# Allegro board BeagleV-FIRE_REV-A_230911.brd (continued)
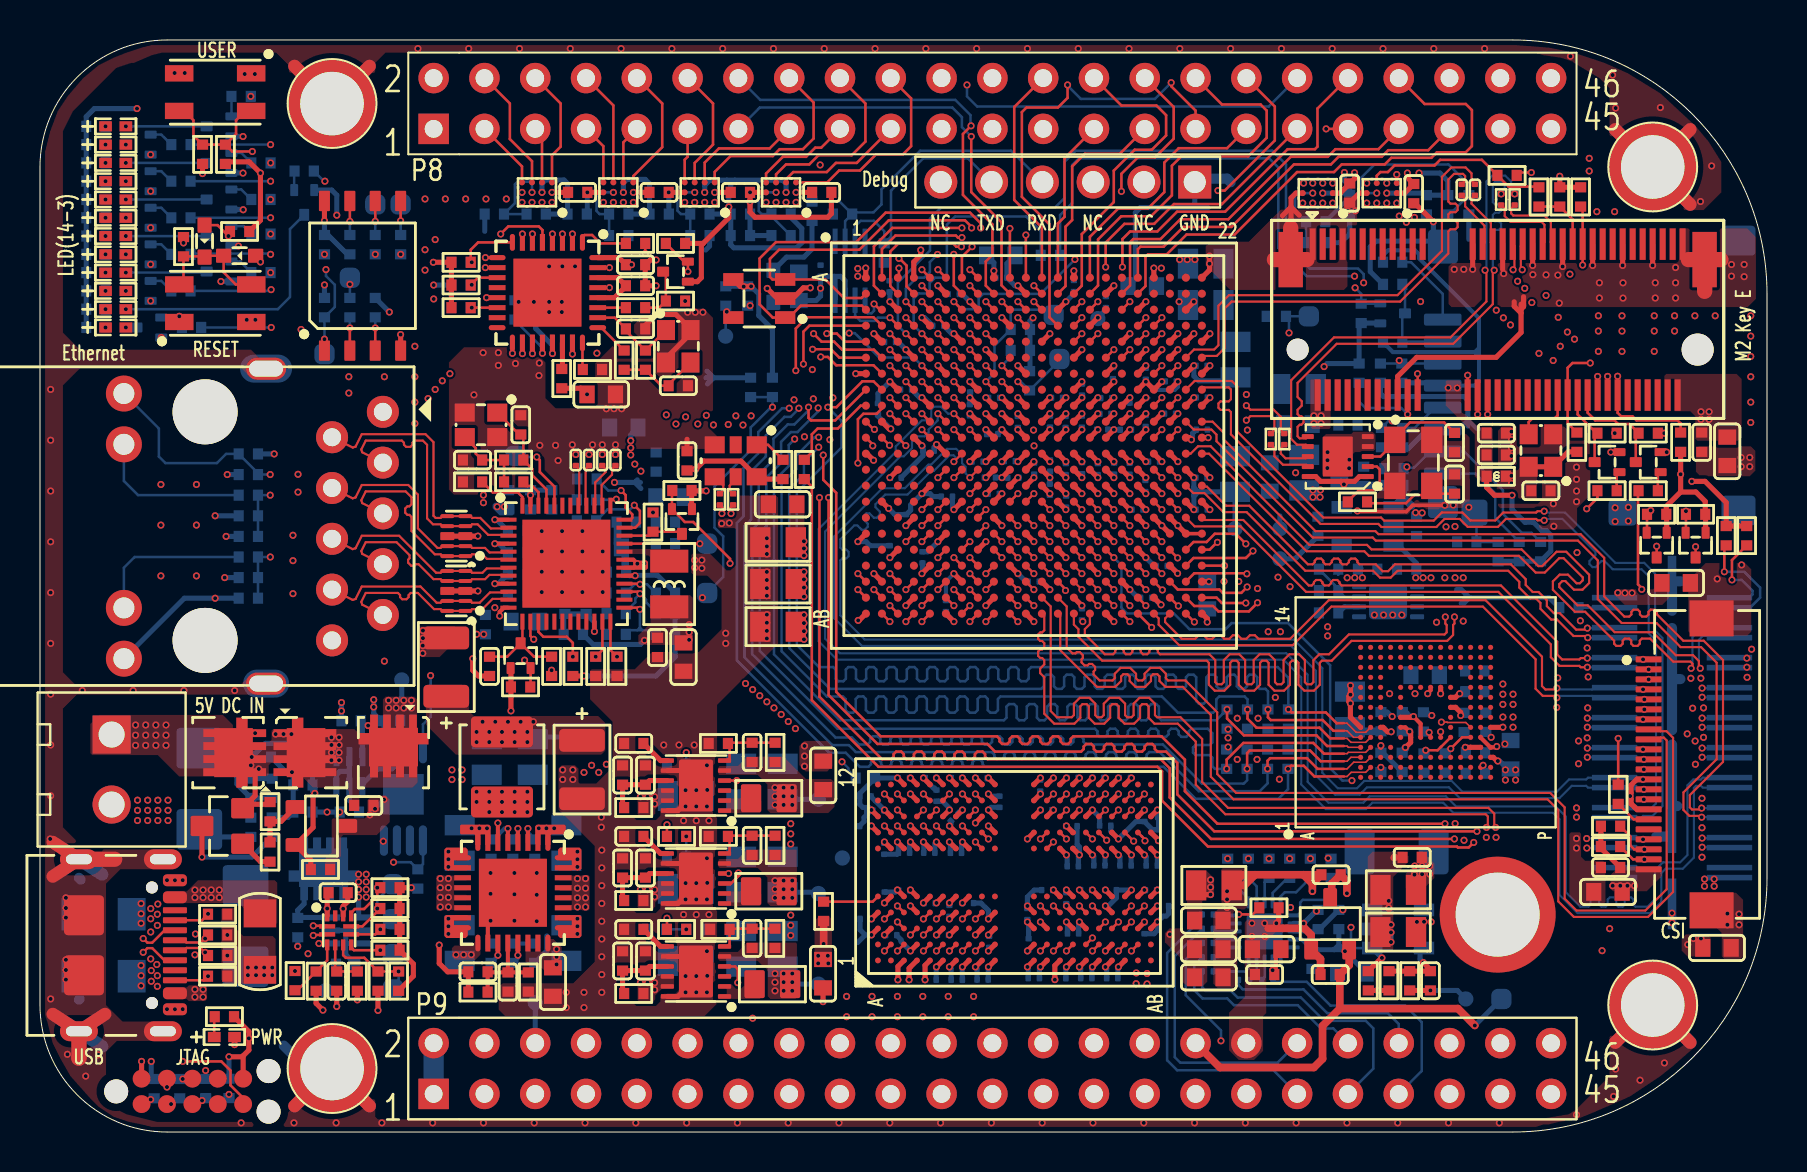
[diagram p0: board, top side]
## Routing (per net, layer and track width the routed paths; a pad name or vN(x,y) marks a point on that pad's centre or on a via; arc(x,y) is an arc through that point) (continued)
GND_EARTH: length 418.4
  TOP w0.635: MH3.1 82.52,46.39 ; MH3.1 82.52,50.13 ; MH3.1 78.77,50.13 ; 0.64,12.78 J5.S1 0.64,14.5 ; 78.77,4.48 MH1.1 82.52,4.48 ; 12.73,53.3 MH5.1 16.48,53.3 ; 12.73,1.3 MH2.1 16.48,1.3 ; 3.25,5.9 J5.S3 0.64,5.9
  TOP w0.762: J5.S3 1.95,3.7 1.94,3.69 ; J5.S1 3.73,13.64
  L2_GND1 w0.508: 2.03,12.65 1.95,12.73 ; MH2.1 13.34,3.17 12.19,4.32
  L2_GND1 w0.61: 82.52,4.48 MH1.1 78.77,4.48 ; 0.79,5.8 J5.S3 ; J5.S3 3.1,4.28 ; J5.S3 3.1,5.8 ; 16.48,53.3 MH5.1 12.73,53.3 ; 0.79,12.88 J5.S1 ; J5.S1 0.79,14.4 ; J5.S1 3.1,12.88 ; 78.77,50.13 MH3.1 ; MH3.1 82.52,50.13 ; MH3.1 82.52,46.39 ; 12.73,1.3 MH2.1 16.48,1.3
  L3_SIG1 w0.508: 2.03,12.65 1.95,12.73 ; 12.19,4.32 13.34,3.17 MH2.1
  L3_SIG1 w0.61: 78.77,50.13 MH3.1 ; MH3.1 82.52,50.13 ; MH3.1 82.52,46.39 ; 12.73,1.3 MH2.1 16.48,1.3 ; J5.S3 3.1,4.28 ; J5.S3 3.1,5.8 ; J5.S3 0.79,5.8 ; J5.S1 3.1,12.88 ; J5.S1 0.79,14.4 ; J5.S1 0.79,12.88 ; 16.48,53.3 MH5.1 12.73,53.3 ; 82.52,4.48 MH1.1 78.77,4.48
  L4_GND2 w0.508: MH2.1 13.34,3.17 12.19,4.32 ; 2.03,12.65 1.95,12.73
  L4_GND2 w0.61: J5.S3 3.1,4.28 ; J5.S3 0.79,5.8 ; J5.S3 3.1,5.8 ; 82.52,4.48 MH1.1 78.77,4.48 ; J5.S1 3.1,12.88 ; J5.S1 0.79,12.88 ; J5.S1 0.79,14.4 ; MH3.1 82.52,50.13 ; MH3.1 82.52,46.39 ; MH3.1 78.77,50.13 ; 12.73,1.3 MH2.1 16.48,1.3 ; 12.73,53.3 MH5.1 16.48,53.3
  L5_SIG2 w0.508: MH2.1 13.34,3.17 12.19,4.32
  L5_SIG2 w0.61: J5.S1 3.1,12.88 ; J5.S1 0.79,12.88 ; J5.S1 0.79,14.4 ; 12.73,53.3 MH5.1 16.48,53.3 ; J5.S3 3.1,5.8 ; J5.S3 0.79,5.8 ; J5.S3 3.1,4.28 ; 78.77,50.13 MH3.1 ; MH3.1 82.52,50.13 ; MH3.1 82.52,46.39 ; 16.48,1.3 MH2.1 12.73,1.3 ; 78.77,4.48 MH1.1 82.52,4.48
  L6_GND3 w0.508: 2.03,12.65 1.95,12.73 ; 12.19,4.32 13.34,3.17 MH2.1
  L6_GND3 w0.61: 0.79,12.88 J5.S1 0.79,14.4 ; 78.77,50.13 MH3.1 ; MH3.1 82.52,50.13 ; MH3.1 82.52,46.39 ; 12.73,53.3 MH5.1 16.48,53.3 ; 78.77,4.48 MH1.1 82.52,4.48 ; 16.48,1.3 MH2.1 12.73,1.3 ; J5.S3 3.1,5.8 ; J5.S3 0.79,5.8 ; J5.S3 3.1,4.28
  L7_PWR1 w0.508: MH2.1 13.34,3.17 12.19,4.32 ; 2.03,12.65 1.95,12.73
  L7_PWR1 w0.61: 78.77,50.13 MH3.1 ; MH3.1 82.52,46.39 ; MH3.1 82.52,50.13 ; 16.48,53.3 MH5.1 12.73,53.3 ; J5.S3 3.1,4.28 ; J5.S3 3.1,5.8 ; J5.S3 0.79,5.8 ; 78.77,4.48 MH1.1 82.52,4.48 ; 12.73,1.3 MH2.1 16.48,1.3 ; 0.79,14.4 J5.S1 ; J5.S1 3.1,12.88 ; J5.S1 0.79,12.88
  L8_PWR2 w0.508: 2.03,12.65 1.95,12.73 ; 12.19,4.32 13.34,3.17 MH2.1
  L8_PWR2 w0.61: MH3.1 82.52,50.13 ; MH3.1 82.52,46.39 ; MH3.1 78.77,50.13 ; J5.S3 3.1,4.28 ; J5.S3 0.79,5.8 ; J5.S3 3.1,5.8 ; 82.52,4.48 MH1.1 78.77,4.48 ; 12.73,53.3 MH5.1 16.48,53.3 ; 16.48,1.3 MH2.1 12.73,1.3 ; 0.79,12.88 J5.S1 ; J5.S1 3.1,12.88 ; J5.S1 0.79,14.4
  L9_GND4 w0.508: MH2.1 13.34,3.17 12.19,4.32 ; 2.03,12.65 1.95,12.73
  L9_GND4 w0.61: 78.77,4.48 MH1.1 82.52,4.48 ; 0.79,5.8 J5.S3 ; J5.S3 3.1,5.8 ; J5.S3 3.1,4.28 ; 12.73,53.3 MH5.1 16.48,53.3 ; 78.77,50.13 MH3.1 ; MH3.1 82.52,46.39 ; MH3.1 82.52,50.13 ; 0.79,12.88 J5.S1 ; J5.S1 3.1,12.88 ; J5.S1 0.79,14.4 ; 12.73,1.3 MH2.1 16.48,1.3
  L10_SIG3 w0.508: 12.19,4.32 13.34,3.17 MH2.1 ; 2.03,12.65 1.95,12.73
  L10_SIG3 w0.61: J5.S3 3.1,5.8 ; J5.S3 3.1,4.28 ; J5.S3 0.79,5.8 ; 0.79,14.4 J5.S1 ; J5.S1 0.79,12.88 ; J5.S1 3.1,12.88 ; 16.48,53.3 MH5.1 12.73,53.3 ; 12.73,1.3 MH2.1 16.48,1.3 ; MH3.1 82.52,46.39 ; MH3.1 78.77,50.13 ; MH3.1 82.52,50.13 ; 82.52,4.48 MH1.1 78.77,4.48
  L11_GND5 w0.508: 2.03,12.65 1.95,12.73 ; 12.19,4.32 13.34,3.17 MH2.1
  L11_GND5 w0.61: J5.S1 3.1,12.88 ; J5.S1 0.79,12.88 ; J5.S1 0.79,14.4 ; 12.73,1.3 MH2.1 16.48,1.3 ; MH3.1 82.52,50.13 ; MH3.1 78.77,50.13 ; MH3.1 82.52,46.39 ; 0.79,5.8 J5.S3 ; J5.S3 3.1,5.8 ; J5.S3 3.1,4.28 ; 12.73,53.3 MH5.1 16.48,53.3 ; 82.52,4.48 MH1.1 78.77,4.48
  BOTTOM w0.508: 12.19,4.32 13.34,3.17 MH2.1 ; 1.95,6.62 1.98,6.65 ; 2.03,12.62 1.95,12.71
  BOTTOM w0.635: 78.77,50.13 MH3.1 ; MH3.1 82.52,50.13 ; MH3.1 82.52,46.39 ; 16.48,1.3 MH2.1 12.73,1.3 ; 0.79,14.4 J5.S1 ; J5.S1 0.79,12.88 ; J5.S1 3.1,12.88 ; 12.73,53.3 MH5.1 16.48,53.3 ; 82.52,4.48 MH1.1 78.77,4.48 ; J5.S3 3.1,5.8 ; J5.S3 0.79,5.8 ; J5.S3 3.1,4.28
  vias: v1(0.53,37.13) v1(0.53,34.59) v1(0.53,32.05) v1(0.53,29.51) v1(0.53,26.97) v1(0.53,24.43) v1(0.53,21.89) v1(0.53,19.35) v1(0.53,16.81) v1(0.51,14.66) v1(0.53,6.65) v1(1.3,11.71) v1(1.3,11.2) v1(1.3,10.72) v1(1.3,8.61) v1(1.3,8.1) v1(1.3,7.62) v1(1.37,3.89) v1(2.12,22.08) v1(2.29,2.79) v1(2.92,3.86) v1(4.66,22.08) v1(7.2,22.08) v1(9.74,22.08) v1(10.06,0.46) v1(12.7,0.46) v1(14.81,0.46) v1(17.09,0.46) v1(18.9,54.18) v1(19.63,0.46) v1(21.44,54.18) v1(22.17,0.46) v1(23.98,54.18) v1(24.71,0.46) v1(26.52,54.18) v1(27.25,0.46) v1(29.06,54.18) v1(29.79,0.46) v1(31.6,54.18) v1(32.33,0.46) v1(34.14,54.18) v1(34.87,0.46) v1(36.68,54.18) v1(37.41,0.46) v1(39.22,54.18) v1(39.95,0.46) v1(41.76,54.18) v1(42.49,0.46) v1(44.3,54.18) v1(45.03,0.46) v1(46.84,54.18) v1(47.57,0.46) v1(49.38,54.18) v1(50.11,0.46) v1(51.92,54.18) v1(52.65,0.46) v1(54.46,54.18) v1(55.19,0.46) v1(57,54.18) v1(57.73,0.46) v1(59.54,54.18) v1(60.27,0.46) v1(62.08,54.18) v1(62.81,0.46) v1(64.62,54.18) v1(65.35,0.46) v1(67.16,54.18) v1(67.89,0.46) v1(69.7,54.18) v1(70.43,0.46) v1(72.24,54.18) v1(72.97,0.46) v1(76.53,53.8) v1(76.83,0.86) v1(78.64,52.86) v1(78.69,1.78) v1(78.79,51.21) v1(78.79,3.15) v1(80.01,2.59) v1(81.03,51.23) v1(81.23,3.45) v1(83.03,46.53) v1(83.59,48.31)
VCC_1V0: length 25.6
  TOP w0.254: U1.N11 v1(49.7,33.52) ; U1.N17 v1(54.5,32.72) ; v1(19.96,9.35) 19.96,8.43 20.39,8.01 C209.1 R119.1 ; U1.L11 v1(48.9,35.12) ; U1.K16 v1(53.7,35.92) ; U1.K14 v1(52.1,35.92) ; U1.N13 v1(51.3,32.72) ; U1.M16 v1(53.7,33.52) ; U1.K12 v1(50.5,35.92) ; U1.J15 v1(52.9,36.72) ; U1.M14 v1(52.1,33.52) ; U1.N15 v1(52.9,32.72) ; U1.L13 v1(51.3,35.12) ; U1.M12 v1(50.5,33.52) ; U1.L17 v1(54.5,35.12)
  L5_SIG2 w0.254: v1(22.47,19.5) v1(21.83,19.5) 21.83,17.66 19.56,15.39 19.56,9.75 v1(19.96,9.35)
  BOTTOM w0.254: C194.1 24.74,19.75 TP23.1
  vias: v1(21.83,20.01) v1(22.13,20.51) v1(22.47,20.01) v1(22.77,20.51) v1(23.1,20.01) v1(23.1,19.5) v1(23.4,20.51) v1(23.74,20.01) v1(23.74,19.5) v1(24.04,20.51) v1(24.37,20.01) v1(24.37,19.5) v1(24.67,20.51) v1(56.99,43.63) v1(57.37,43.63) v1(57.75,43.63)
VCC_1V1: length 45
  TOP w0.254: U2.U5 v1(51.98,12.1) ; U2.N3 v1(49.38,10.5) ; U2.W1 v1(53.28,8.25) ; U2.AA3 v1(55.23,10.5) ; U2.H5 v1(46.13,11.45) ; U2.U3 v1(51.98,10.5) ; U2.N10 v1(50.03,16.1) ; U2.H1 v1(46.13,8.25) ; U2.K12 v1(47.43,17.7) ; U2.N1 v1(49.38,8.25) ; U1.U1 v1(40.9,29.52) ; U2.B5 v1(42.23,11.45) ; U1.W5 v1(44.1,27.92) ; U1.Y2 v1(41.7,27.92) ; v1(50.75,7.62) 50.75,8.33 U2.R1 ; U2.K1 v1(47.43,8.25) ; U2.W5 v1(53.28,12.1) ; U2.F10 v1(45.48,16.1) ; U2.B8 v1(42.23,14.5) ; U2.N12 v1(50.03,17.7) ; U1.N3 v1(42.5,32.72) ; U2.AA8 v1(55.23,13.85) ; U2.F5 v1(44.83,11.45) ; U2.U8 v1(52.63,13.85) ; U1.U11 v1(49.7,29.52) ; U2.D12 v1(43.53,17.7) ; U2.H8 v1(46.13,14.5) ; U2.K10 v1(47.43,16.1) ; U2.K3 v1(47.43,9.85) ; U2.AA10 v1(55.23,16.1) ; v1(43.46,7.61) 43.46,8.19 U2.D1 ; U2.B10 v1(42.23,16.1) ; U2.D5 v1(43.53,12.1) ; U1.T4 v1(43.3,30.32) ; U2.W12 v1(53.93,17.7) ; U1.AB6 v1(45.7,25.52) ; U2.A4 v1(41.58,10.65) ; U1.R7 v1(45.7,31.12) ; U2.AA5 v1(55.23,12.1) ; U2.D8 v1(43.53,14.5) ; U1.AA9 v1(47.3,26.32) ; v1(55.93,14.57) 55.9,14.59 55.9,14.63 U2.AB9 ; U2.B3 v1(42.23,9.85) ; U2.R8 v1(51.33,13.85) ; U1.V8 v1(47.3,29.52) ; U2.R12 v1(51.33,17.7) ; U2.A9 v1(41.58,15.3) ; U2.U10 v1(52.63,16.1) ; U2.F8 v1(44.83,14.5) ; U2.W8 v1(53.93,13.85) ; U2.AB4 v1(55.88,11.3) ; U2.H12 v1(46.13,17.7) ; U2.R5 v1(50.68,12.1) ; U2.F3 v1(44.83,9.85)
  TOP w0.381: R3.2 v1(39.18,9.41)
  BOTTOM w0.254: C36.1 43.48,14.46 v1(43.53,14.5) ; C26.1 44.95,16.54 44.95,16.54 45.13,16.54 45.48,16.19 v1(45.48,16.1) ; C32.1 46.12,8.25 v1(46.13,8.25) ; C38.1 53.34,8.19 v1(53.28,8.25) ; C21.1 47.42,8.24 v1(47.43,8.25) ; C253.1 44.13,27.95 v1(44.1,27.92) ; v1(44.83,14.5) 44.75,14.43 C14.1 ; C12.1 49.42,8.21 v1(49.38,8.25) ; v1(52.63,16.1) 52.99,15.74 C46.1 ; C41.1 55.32,13.77 v1(55.23,13.85) ; v1(51.98,10.5) 51.94,10.47 C48.1 ; v1(49.38,10.5) 49.44,10.44 C16.1 ; TP24.1 38.92,16.64 C221.1 ; v1(45.7,31.12) 45.63,31.2 C256.1 ; v1(51.33,13.85) 51.37,13.82 C24.1 ; C19.1 52.7,13.78 v1(52.63,13.85) ; v1(53.93,13.85) 54,13.78 C51.1 ; v1(46.13,14.5) 46.08,14.46 C28.1 ; C257.1 41.51,29.32 41.31,29.52 v1(40.9,29.52) ; v1(42.23,16.1) 41.78,16.56 41.77,16.56 41.55,16.77 C49.1 ; C258.1 45.3,25.92 v1(45.7,25.52) ; C31.1 47.56,16.24 v1(47.43,16.1)
  vias: v1(36.75,17.22) v1(36.75,16.79) v1(36.75,16.36) v1(37.19,17.22) v1(37.19,16.79) v1(37.19,16.36) v1(37.62,17.22) v1(37.62,16.79) v1(37.62,16.36) v1(38.2,28.02) v1(38.2,27.64) v1(38.2,27.23) v1(38.2,26.77) v1(38.91,8.81) v1(38.91,8.43) v1(39.4,8.81) v1(39.42,8.43) v1(56.5,9.89)
VCC_1V8: length 122.6
  TOP w0.254: U2.G9 v1(45.48,15.3) ; v1(34.44,46.26) 34.44,45.72 33.16,44.44 ; U2.T9 v1(51.33,15.3) ; v1(72.9,18.55) 72.86,18.55 72.67,18.74 U3.P3 ; U1.P16 v1(53.7,31.92) ; 82.04,32 v1(82.04,32.89) R93.1 ; 82.04,32 82.8,32 83.27,31.54 R103.1 83.29,30.87 Q20.1 ; 82.04,32 81.32,31.29 R154.1 81.34,30.87 Q19.1 ; U3.N4 U3.M4 v1(71.27,19.24) ; U1.Y22 v1(58.46,27.52) ; U2.G4 v1(45.48,10.65) ; U1.AA19 v1(56.06,26.37) ; U1.AB16 v1(53.7,25.52) ; v1(33.31,32.06) 32.6,32.06 R217.1 32.58,31.17 Q24.1 ; Q28.1 32.87,42.52 33.07,42.72 33.07,44.35 33.16,44.44 ; U1.P10 v1(48.9,32.72) ; U2.U1 v1(51.98,8.25) ; U1.K2 42.46,35.16 v1(42.54,35.16) ; U1.W15 v1(52.9,27.93) ; R99.1 11.02,45.59 v1(11.02,47.96) 10.46,48.51 9.37,48.51 R139.1 ; U1.P14 v1(52.1,31.92) ; Q25.1 23.55,23.18 R218.1 v1(23.55,21.06) ; v1(67.57,20.02) 67.39,20.02 67.16,20.24 U3.C6 ; U2.F12 v1(44.83,17.7) ; R213.1 33.16,44.44 ; U1.V18 v1(55.3,28.72) ; U1.Y12 v1(50.5,27.12) ; U2.T4 v1(51.33,11.3) ; U1.R13 v1(51.3,31.12) ; U1.J5 v1(44.1,36.72) ; U2.U12 v1(52.63,17.7) ; v1(58.53,11.87) 58.27,11.87 C168.1 ; U3.P5 v1(72.57,19.74) ; 57.68,10.36 57.74,10.42 C58.1 ; U2.F1 v1(44.83,8.25) ; U1.P12 v1(50.5,31.92) ; U1.T14 v1(52.1,30.32)
  L3_SIG1 w0.203: v1(37.77,20.17) 37.43,19.83 26.05,19.83 24.92,20.96 24.65,20.96 24.55,21.06 v1(23.55,21.06)
  L7_PWR1 w0.254: 22.35,47.98 11.05,47.98 v1(11.02,47.96) ; 22.35,47.98 22.78,47.55 ; 22.35,47.98 22.63,48.26 22.89,48.26 ; 22.35,47.98 22.78,47.98
  L10_SIG3 w0.254: v1(38.2,25.86) 37.21,26.85 37.21,29.59 34.74,32.06 v1(33.31,32.06)
  BOTTOM w0.203: C305.2 65.49,46.74 R246.2
  BOTTOM w0.254: R10.1 59.36,20.19 ; v1(64.21,38.28) 64.36,38.43 R88.1 65.96,40.35 R210.1 67,40.45 Q27.1 ; C8.1 44.82,8.24 v1(44.83,8.25) ; C228.1 55.71,28.31 v1(55.3,28.72) ; R156.1 C273.2 26.38,47.43 26.2,47.61 25.28,47.61 25.1,47.43 v1(25.1,46.99) ; v1(64.14,46.95) 65.41,46.95 C305.2 65.49,47.31 65.23,47.57 v1(65.23,47.98) ; C243.1 43.99,36.72 v1(44.1,36.72) ; 34.74,47.6 34.34,47.6 ; 34.74,47.6 37.13,47.6 37.31,47.43 v1(37.31,46.99) ; 34.74,47.6 34.54,47.4 ; 34.34,47.6 34.54,47.4 ; 34.34,47.6 33.49,47.6 33.24,47.35 v1(33.24,46.99) ; R247.2 37.54,45.74 38.09,45.19 38.09,44.47 37.84,44.22 34.69,44.22 34.54,44.37 C308.2 C303.2 ; v1(67.34,46.95) 69.23,46.95 C310.2 R248.2 70.4,47.56 70,47.96 v1(68.96,47.96) ; C244.1 41.9,35.8 v1(42.54,35.16) ; 34.54,47.4 34.54,46.99 34.44,46.89 v1(34.44,46.26) 34.44,46 C303.2 ; C2.1 45.55,15.38 v1(45.48,15.3) ; C113.1 38.87,11.99 TP20.1 ; C229.1 50.1,27.53 v1(50.5,27.12) ; v1(72.9,18.55) 72.99,18.55 73.39,18.16 C73.1 ; R244.1 C301.2 30.48,47.42 30.26,47.64 29.35,47.64 29.17,47.46 v1(29.17,46.99) ; v1(67.57,20.02) 67.39,20.02 67.37,20.04 C67.1 ; C232.1 55.68,26.72 56.02,26.38 56.04,26.38 v1(56.06,26.37) ; C69.1 72.57,19.74 v1(72.57,19.74) ; C303.2 R245.1 ; v1(51.98,8.25) 52.04,8.19 C4.1
  BOTTOM w0.381: C169.1 65.71,20.04 C67.1
  vias: v1(36.75,12.57) v1(36.75,12.14) v1(36.75,11.71) v1(37.19,12.57) v1(37.19,12.14) v1(37.19,11.71) v1(37.62,12.57) v1(37.62,12.14) v1(37.62,11.71) v1(38.2,25.45) v1(38.2,25.04) v1(38.2,24.64) v1(52.15,25.53) v1(58.53,12.61) v1(58.53,12.24) v1(59.41,20.14) v1(59.41,19.71) v1(59.41,19.25) v1(73.28,18.11) v1(73.28,17.6) v1(73.79,18.11) v1(73.79,17.6)
VCC_2V5: length 7.4
  TOP w0.254: U1.M18 v1(55.3,33.52) ; U1.J17 v1(54.5,36.72) ; U1.P18 v1(55.3,31.92) ; U1.R9 v1(48.1,31.92) ; U1.N9 v1(47.3,32.72) ; U1.L15 v1(52.9,35.12) ; U1.J18 v1(55.3,36.72) ; U1.M10 v1(48.1,33.52) ; U1.H8 v1(46.5,37.52) ; U1.R17 v1(54.5,31.12) ; U1.K18 v1(55.3,35.92)
  BOTTOM w0.254: v1(54.5,36.72) 54.49,36.71 C177.1 ; TP22.1 62,30.81 ; v1(48.1,33.52) 48.13,33.55 C186.1 ; C170.1 55.3,33.52 v1(55.3,33.52)
  vias: v1(38.2,29.54) v1(38.2,29.18) v1(38.2,28.83) v1(63.65,32.11) v1(63.65,31.75) v1(64.03,32.11) v1(64.01,31.75)
VCC_3V3: length 109.6
  TOP w0.203: U3.E6 68.27,20.24 v1(68.49,20.02)
  TOP w0.254: 10.16,3.81 10.44,4.09 v1(10.44,4.68) 10.44,5.02 R15.1 ; 10.16,3.81 10.11,3.76 v1(9.45,3.76) ; 10.16,3.81 J3.6 ; C302.1 v1(29.67,46.99) ; OSC1.4 OSC1.1 76.41,34.01 R92.1 ; C107.1 14.36,11.9 v1(14.36,11.18) U9.12 ; U1.H16 v1(53.7,37.52) ; U1.D10 v1(48.1,40.72) ; C304.1 v1(33.74,46.99) ; U1.C3 v1(42.5,41.52) ; v1(18.57,12.22) R54.1 R62.1 R59.1 R58.1 18.67,8.41 18.67,7.8 R57.1 ; v1(37.81,46.99) C307.1 ; U1.E17 v1(54.5,39.92) ; U8.32 28.95,43.73 C112.1 v1(29.58,43.37) ; v1(82.6,32.54) 83.26,32.54 84.32,31.48 R249.1 R250.1 ; C189.1 78.05,14.19 R108.1 R109.1 ; v1(44.83,34.38) 44.92,34.29 44.93,34.29 U1.M6 ; U1.B6 v1(44.9,42.32) ; U1.L9 v1(47.3,35.12) ; U1.J11 v1(48.9,36.72) ; U1.M8 v1(46.5,33.52) ; C98.1 32.42,33.15 v1(32.79,33.15) 33.2,33.55 35.05,33.55 U7.6 35.95,32.65 R39.1 ; U22.4 35.01,42.29 v1(35.56,42.29) ; U1.A9 v1(47.7,43.07) ; v1(70.99,21.92) 70.97,21.92 70.78,21.74 U3.K9 ; U35.A2 68.24,46.95 C309.1 68.38,47.73 v1(68.38,47.96) ; C274.1 v1(25.6,46.99) ; U1.G1 v1(40.79,37.92) ; U1.F4 v1(43.3,39.12) ; U33.A2 65.01,46.95 C306.1 65.74,47.68 v1(65.74,47.97) ; U1.F14 v1(52.1,39.12) ; U1.C21 v1(57.7,41.52) ; U1.K8 v1(46.5,35.92) ; R97.1 v1(81.23,34.95) ; U1.K10 v1(48.1,35.92) ; v1(68.28,19.23) 68.29,19.23 68.54,19.48 U3.F5 68.54,19.97 v1(68.49,20.02) ; v1(76,47.8) R79.1 R78.1 ; U1.E7 v1(45.7,39.92) ; U1.J13 v1(51.3,36.72) ; U1.H14 v1(52.1,37.52) ; U1.A19 v1(55.7,43.2) ; U1.C13 v1(51.3,41.52) ; U3.J10 v1(70.04,21.92) ; R96.1 v1(78.74,34.95) ; U1.B16 v1(53.7,42.32) ; U4.8 v1(14.22,45.57) ; U1.J9 v1(47.3,36.72) ; U1.G11 v1(48.9,38.32)
  BOTTOM w0.203: C127.1 63.8,10.03 U11.18
  BOTTOM w0.254: R67.1 R69.1 ; R67.1 v1(19.69,42.36) ; R67.1 R65.1 ; R28.1 36.63,40.14 35.94,40.83 35.94,41.91 v1(35.56,42.29) C269.1 R63.1 ; R25.1 v1(17.47,41.01) ; U21.8 39.76,42.75 39.73,42.79 ; C234.1 47.7,42.82 v1(47.7,43.07) 47.7,43.48 C242.1 ; v1(18.57,12.22) 18.84,12.22 R55.1 ; v1(65.15,11.11) FB2.2 63.98,10.14 C127.1 ; v1(4.85,51.18) 2.72,51.18 2.31,50.77 R110.1 R111.1 R112.1 R113.1 R114.1 R115.1 R116.1 R120.1 R122.1 R123.1 R124.1 R125.1 ; v1(45.7,39.92) 45.59,39.92 C240.1 ; R235.2 v1(22.19,24.89) v1(21.83,24.89) ; v1(42.5,41.52) 42.5,41.99 C239.1 ; v1(53.7,42.32) U1.B16 C233.1 ; 39.73,42.79 40.04,42.79 40.26,42.57 U21.7 ; 39.73,42.79 C206.1 v1(39.03,42.2) 39.03,41.8 38.81,41.58 C248.1 36.76,41.58 D17.1 ; R26.1 15.36,43.89 14.4,44.86 C82.1 14.23,45.57 v1(14.22,45.57) ; v1(44.9,42.32) 45.32,41.9 C235.1 ; C246.1 44.71,34.26 v1(44.83,34.38) ; v1(49.66,40.72) 49.5,40.56 R23.1 R22.1 49.5,38.07 R24.1 49.17,38.05 v1(48.9,38.32) ; TP19.1 37.86,7.39 37.79,7.47 37.45,7.47 37.32,7.34 37.14,7.34 ; v1(29.54,34.57) 29.54,34.86 C185.1 ; R27.1 v1(14.23,42.36) ; v1(51.3,41.52) 51.7,41.92 C231.1 ; C184.1 47.34,35.08 v1(47.3,35.12) ; C198.1 68.82,28.45 67.94,29.33 U14.3 ; C237.1 42.92,39.51 v1(43.3,39.12) ; C81.1 v1(9.45,3.76)
  BOTTOM w0.381: 68.17,31.73 U14.1 ; 68.17,31.73 FB4.1 ; 68.17,31.73 68.59,31.32 ; C66.1 68.12,19.03 68.28,19.19 v1(68.28,19.23) ; C63.1 68.48,20.04 v1(68.49,20.02)
  vias: v1(12.75,8.05) v1(29.54,34.21) v1(29.54,33.86) v1(32.26,41.56) v1(35.19,42.28) v1(36.75,7.92) v1(36.75,7.49) v1(36.75,7.06) v1(37.19,7.92) v1(37.19,7.49) v1(37.19,7.06) v1(37.62,7.92) v1(37.62,7.49) v1(37.62,7.06) v1(56.07,43.2) v1(56.96,41.52) v1(63.7,35.81) v1(63.7,35.43) v1(64.06,35.81) v1(64.06,35.43) v1(68.79,30.97) v1(68.79,27.72) v1(69.11,30.96) v1(69.16,27.72) v1(69.56,27.72) v1(73.58,32.82) v1(73.58,32.44) v1(78.64,12.31) v1(79.02,12.31) v1(79.38,12.31) v1(79.74,12.31) v1(83.06,36.02) v1(83.06,35.64) v1(83.46,36.02) v1(83.46,35.64)
VCCA_1V0: length 13.6
  TOP w0.254: U1.J21 v1(57.7,36.72) ; U1.G21 v1(57.7,38.32) ; U1.R21 v1(57.7,31.12) ; v1(57.58,34.62) 57.47,34.72 U1.L21 ; U1.N21 v1(57.7,32.72) ; U1.K19 v1(56.1,35.92) ; U1.P19 v1(56.1,31.92)
  BOTTOM w0.127: 66.13,28.19 66.07,28.19 66.02,28.14 C199.1 ; R107.1 64.92,27.87 64.92,27.86
  BOTTOM w0.254: 57.7,32.23 57.7,31.85 ; 57.7,32.23 57.92,32.01 ; 57.7,32.23 v1(57.7,32.72) ; 57.7,31.85 57.76,31.85 ; 57.7,31.85 57.7,31.8 ; 57.92,32.01 57.76,31.85 ; 57.92,32.01 C146.1 TP21.1 ; 57.7,31.8 v1(57.7,31.12) ; 57.7,31.8 57.76,31.85 ; v1(57.7,38.32) 57.7,37.8 57.94,37.57 59.61,37.57 C147.1 ; C142.1 57.63,34.94 57.63,34.76 57.58,34.7 v1(57.58,34.62)
  vias: v1(65.37,27.72) v1(65.75,27.72) v1(66.12,27.72)
VDD_5V: length 2
  BOTTOM w0.254: TP31.1 P9.6
  vias: v1(14.57,19.74) v1(14.57,19.35) v1(14.57,18.97) v1(14.57,18.59) v1(14.96,19.74) v1(14.96,19.35) v1(14.96,18.97) v1(14.96,18.59)
VDD_ADC: length 27.8
  TOP w0.381: v1(71.75,5.33) 70.9,6.17 65,6.17 ; U16.2 65.47,8.34 C121.1 65,6.17 ; P9.32 59,3.23 63.7,3.23 64.14,3.66 64.14,5.31 65,6.17
  BOTTOM w0.203: C138.1 63.09,9.63 U11.19
  BOTTOM w0.254: 64.72,9.12 65.18,9.12 ; 64.72,9.12 64.95,9.35 ; 64.72,9.12 C138.1 ; 65.18,9.12 v1(65.25,9.04) 65.25,9.03 C139.1 ; 65.18,9.12 64.95,9.35 ; 64.95,9.35 FB2.1 ; v1(71.75,5.33) TP30.1
ADC_CSN: length 70.8
  TOP w0.127: U1.E4 v1(43.3,39.92)
  L10_SIG3 w0.102: v1(59.39,13.67) 59.39,15.12 60.12,15.85 62.97,15.85 63.22,16.1 63.22,23.14 65.41,25.32 65.41,26.33 66.65,27.57 66.65,32.37 67.26,32.98 67.26,41.4 v1(66.19,42.47)
  BOTTOM w0.127: v1(66.19,42.47) 66.19,42.9 65.91,43.18 63.5,43.18 62.31,44.37 62.31,48.39 61.62,49.07 51.79,49.07 51.23,48.51 51.23,46.71 50.75,46.23 45.06,46.23 44.5,45.67 44.5,44.08 42.9,42.48 42.9,40.32 v1(43.3,39.92)
ADC_IRON: length 75
  TOP w0.127: v1(46.08,44.27) 45.82,44.27 45.64,44.45 42.94,44.45 42.52,44.03 42.52,42.3 U1.B3
  L3_SIG1 w0.102: v1(46.08,44.27) 45.97,44.37 45.95,44.37 45.39,44.94 45.39,46.3 45.97,46.89 45.97,48.45 46.59,49.07 69.56,49.07 70.21,48.43 70.21,46.92 69.43,46.15 69.14,46.15 v1(68.73,45.74)
  L10_SIG3 w0.102: v1(68.73,45.74) 68.68,45.69 68.68,39.07 69.27,38.49 69.27,35.72 68.72,35.18 68.72,32.43 68.07,31.78 68.07,27.17 68.83,26.41 68.83,25.59 68.39,25.15 67.24,25.15 64.65,22.55 64.65,15.31 63.53,14.19 v1(63.53,13.67)
ADC_MCLK: length 49
  TOP w0.127: U1.E19 v1(56.1,39.92)
  L3_SIG1 w0.102: v1(56.1,39.92) 55.7,39.53 55.7,38.07 55.83,37.94 59.94,37.94 62.48,40.49 66.7,40.49 67.74,41.53 v1(69.04,41.53)
  L10_SIG3 w0.102: v1(64.41,13.69) 64.41,14.58 65,15.16 65,22.4 67.39,24.79 68.54,24.79 69.19,25.44 69.19,26.56 68.43,27.32 68.43,31.63 69.08,32.28 69.08,35.03 69.62,35.58 69.62,38.68 69.04,39.27 v1(69.04,41.53)
ADC_MISO: length 83.3
  TOP w0.127: U1.A2 42.1,44.15 42.78,44.83 45.8,44.83 45.9,44.73 v1(46.1,44.73)
  L3_SIG1 w0.102: v1(46.1,44.73) 45.75,45.08 45.75,46.16 46.33,46.74 46.33,48.31 46.74,48.72 69.41,48.72 69.85,48.28 69.85,47.07 69.28,46.5 68.98,46.5 68.33,45.85 v1(68.33,45.49)
  L10_SIG3 w0.102: v1(68.33,45.49) 68.33,37 68.77,36.55 68.77,35.73 68.35,35.31 v1(68.35,33.26) 68.35,32.56 67.72,31.93 67.72,27.03 68.48,26.26 68.48,25.73 68.25,25.5 67.09,25.5 64.29,22.7 64.29,15.46 63.61,14.78 62.59,14.78 62.49,14.68 v1(62.49,13.67)
  BOTTOM w0.127: v1(68.35,33.26) 68.39,33.22 68.7,33.22 69.5,34.03 J2.7 71.22,34.03 73.15,32.09 73.15,30.91 74.1,29.96 74.58,29.96 R168.2
ADC_MOSI: length 75.9
  TOP w0.127: v1(46.1,45.21) 42.62,45.21 41.7,44.29 41.7,42.32 U1.B2
  L3_SIG1 w0.102: v1(67.97,45.8) 67.97,46.02 68.88,46.94 69.22,46.94 69.49,47.22 69.49,48.13 69.27,48.36 46.89,48.36 46.69,48.16 46.69,46.59 46.1,46.01 v1(46.1,45.21)
  L10_SIG3 w0.102: v1(67.97,45.8) v1(67.97,38.58) 67.97,32.68 67.36,32.07 67.36,27.28 66.12,26.04 66.12,25.03 63.93,22.84 63.93,15.61 63.47,15.14 61.67,15.14 61.46,14.93 v1(61.46,13.67)
  BOTTOM w0.127: R162.2 67.97,38.56 v1(67.97,38.58) ; R162.2 D11.2 ; R162.2 70.14,38.43 J2.3
ADC_SCK: length 13.8
  TOP w0.127: U1.E5 v1(44.1,39.92)
  BOTTOM w0.127: R159.1 50.04,45.05 49.31,45.79 45.76,45.79 45.35,45.38 45.35,42.85 45.22,42.72 44.75,42.72 44.49,42.46 44.49,42.03 44.4,41.94 43.94,41.94 43.69,41.68 43.69,40.34 v1(44.1,39.92)
ADC_SCK_1: length 62.4
  L10_SIG3 w0.102: v1(65.74,42.8) 66.47,42.8 67.61,41.66 v1(67.61,35.56) 67.61,32.83 67.01,32.22 67.01,27.43 65.76,26.18 65.76,25.17 63.58,22.99 63.58,15.75 63.32,15.49 60.73,15.49 60.42,15.19 v1(60.42,13.67)
  BOTTOM w0.127: R159.2 51.01,45.85 51.61,46.46 51.61,48.36 51.95,48.69 61.46,48.69 61.93,48.23 61.93,44.22 63.34,42.8 v1(65.74,42.8) ; J2.5 69.75,36.23 68.74,35.21 D14.2 68.14,35.21 67.79,35.56 v1(67.61,35.56) 67.43,35.56 67.08,35.21 C315.1
ADC_VREF: length 1.9
  TOP w0.203: C119.1 61.8,8.89 61.8,7.95 C117.1
  BOTTOM w0.203: v1(61.64,8.09) U11.2
AIN0: length 12.4
  BOTTOM w0.127: R266.2 61.76,7.51 63.34,7.51 64.53,6.32 68.27,6.32 69.09,5.49 69.09,3.05 P9.39
AIN1: length 10
  BOTTOM w0.127: R267.2 59.92,7.36 60.15,7.13 63.18,7.13 64.37,5.94 67.4,5.94 67.95,5.4 P9.40
AIN2: length 14
  BOTTOM w0.127: P9.37 66.67,3.17 66.67,5.18 66.3,5.56 64.22,5.56 63.05,6.72 59.89,6.72 59.55,7.06 58.29,7.06 58.12,7.24 R268.2
AIN3: length 10.6
  BOTTOM w0.127: R269.2 57.72,8.35 57.72,7.09 58.14,6.68 59.37,6.68 59.71,6.34 62.89,6.34 64.06,5.18 64.67,5.18 P9.38
AIN4: length 9.1
  L3_SIG1 w0.102: P9.33 59.06,3.17 v1(59.06,4.56)
  BOTTOM w0.127: R270.2 57.29,8.63 57.29,6.84 59.06,5.08 v1(59.06,4.56)
AIN5: length 13.6
  BOTTOM w0.127: P9.36 61.89,3.47 57.02,3.47 56.74,3.75 56.74,8.79 R271.2
AIN6: length 15.2
  BOTTOM w0.127: P9.35 61.68,3.09 56.86,3.09 56.36,3.59 56.36,8.95 58,10.59 58,10.76 R272.2
B0_CSI1_PWDN: length 43.1
  TOP w0.127: v1(51.28,27.08) 51.28,27.14 U1.Y13
  L5_SIG2 w0.102: v1(70.25,27.72) 69.42,26.89 61.71,26.89 60.91,27.69 60.91,28.09 60.68,28.32 60.2,28.32 59.82,28.7 58.42,28.7 58.04,28.32 51.15,28.32 50.9,28.06 50.9,27.46 v1(51.28,27.08)
  L10_SIG3 w0.102: v1(67.84,46.45) 68.52,46.45 69.08,45.88 69.08,41.96 69.39,41.65 69.39,39.41 69.98,38.83 69.98,35.43 69.62,35.07 69.62,28.35 v1(70.25,27.72)
B0_HSIO66N: length 54.3
  TOP w0.127: v1(58.88,29.49) 58.86,29.49 58.49,29.12 U1.V22
  L10_SIG3 w0.102: v1(24.1,46.49) 24.1,46.48 25.16,45.42 27.06,45.42 27.77,44.71 30.71,44.71 32.01,43.42 35.35,43.42 36.19,42.58 39.57,42.58 42.59,45.59 58.16,45.59 58.88,44.87 v1(58.88,29.49)
B0_HSIO66P: length 55.6
  TOP w0.127: v1(59.23,28.32) 59.23,28.32 U1.W22
  L10_SIG3 w0.102: v1(24.6,46.49) 24.6,46.49 25.31,45.78 27.21,45.78 27.92,45.07 30.86,45.07 32.15,43.77 35.5,43.77 36.34,42.93 39.42,42.93 42.44,45.95 58.3,45.95 59.23,45.02 v1(59.23,28.32)
B0_HSIO67N: length 55.3
  TOP w0.127: U1.Y21 57.72,27.94 60.32,27.94 v1(60.35,27.91)
  L10_SIG3 w0.102: v1(60.35,27.91) 61.01,28.57 61.01,33.93 61.44,34.36 61.44,37.47 61.01,37.9 61.01,47.07 59.01,49.07 43.05,49.07 38.69,44.71 37.07,44.71 36.24,45.55 32.89,45.55 32.24,46.2 v1(32.24,46.49)
B0_HSIO67P: length 57.1
  TOP w0.127: U1.Y20 56.9,27.13 58.98,27.13 59.14,26.96 60.07,26.96 v1(60.36,27.26)
  L10_SIG3 w0.102: v1(32.74,46.49) 32.74,46.2 33.04,45.91 36.38,45.91 37.22,45.07 38.54,45.07 42.9,49.43 59.16,49.43 61.37,47.22 61.37,38.05 61.8,37.62 61.8,34.21 61.37,33.78 61.37,28.26 v1(60.36,27.26)
B0_HSIO68N: length 55.9